# KiCad board q2v2.kicad_pcb (continued)
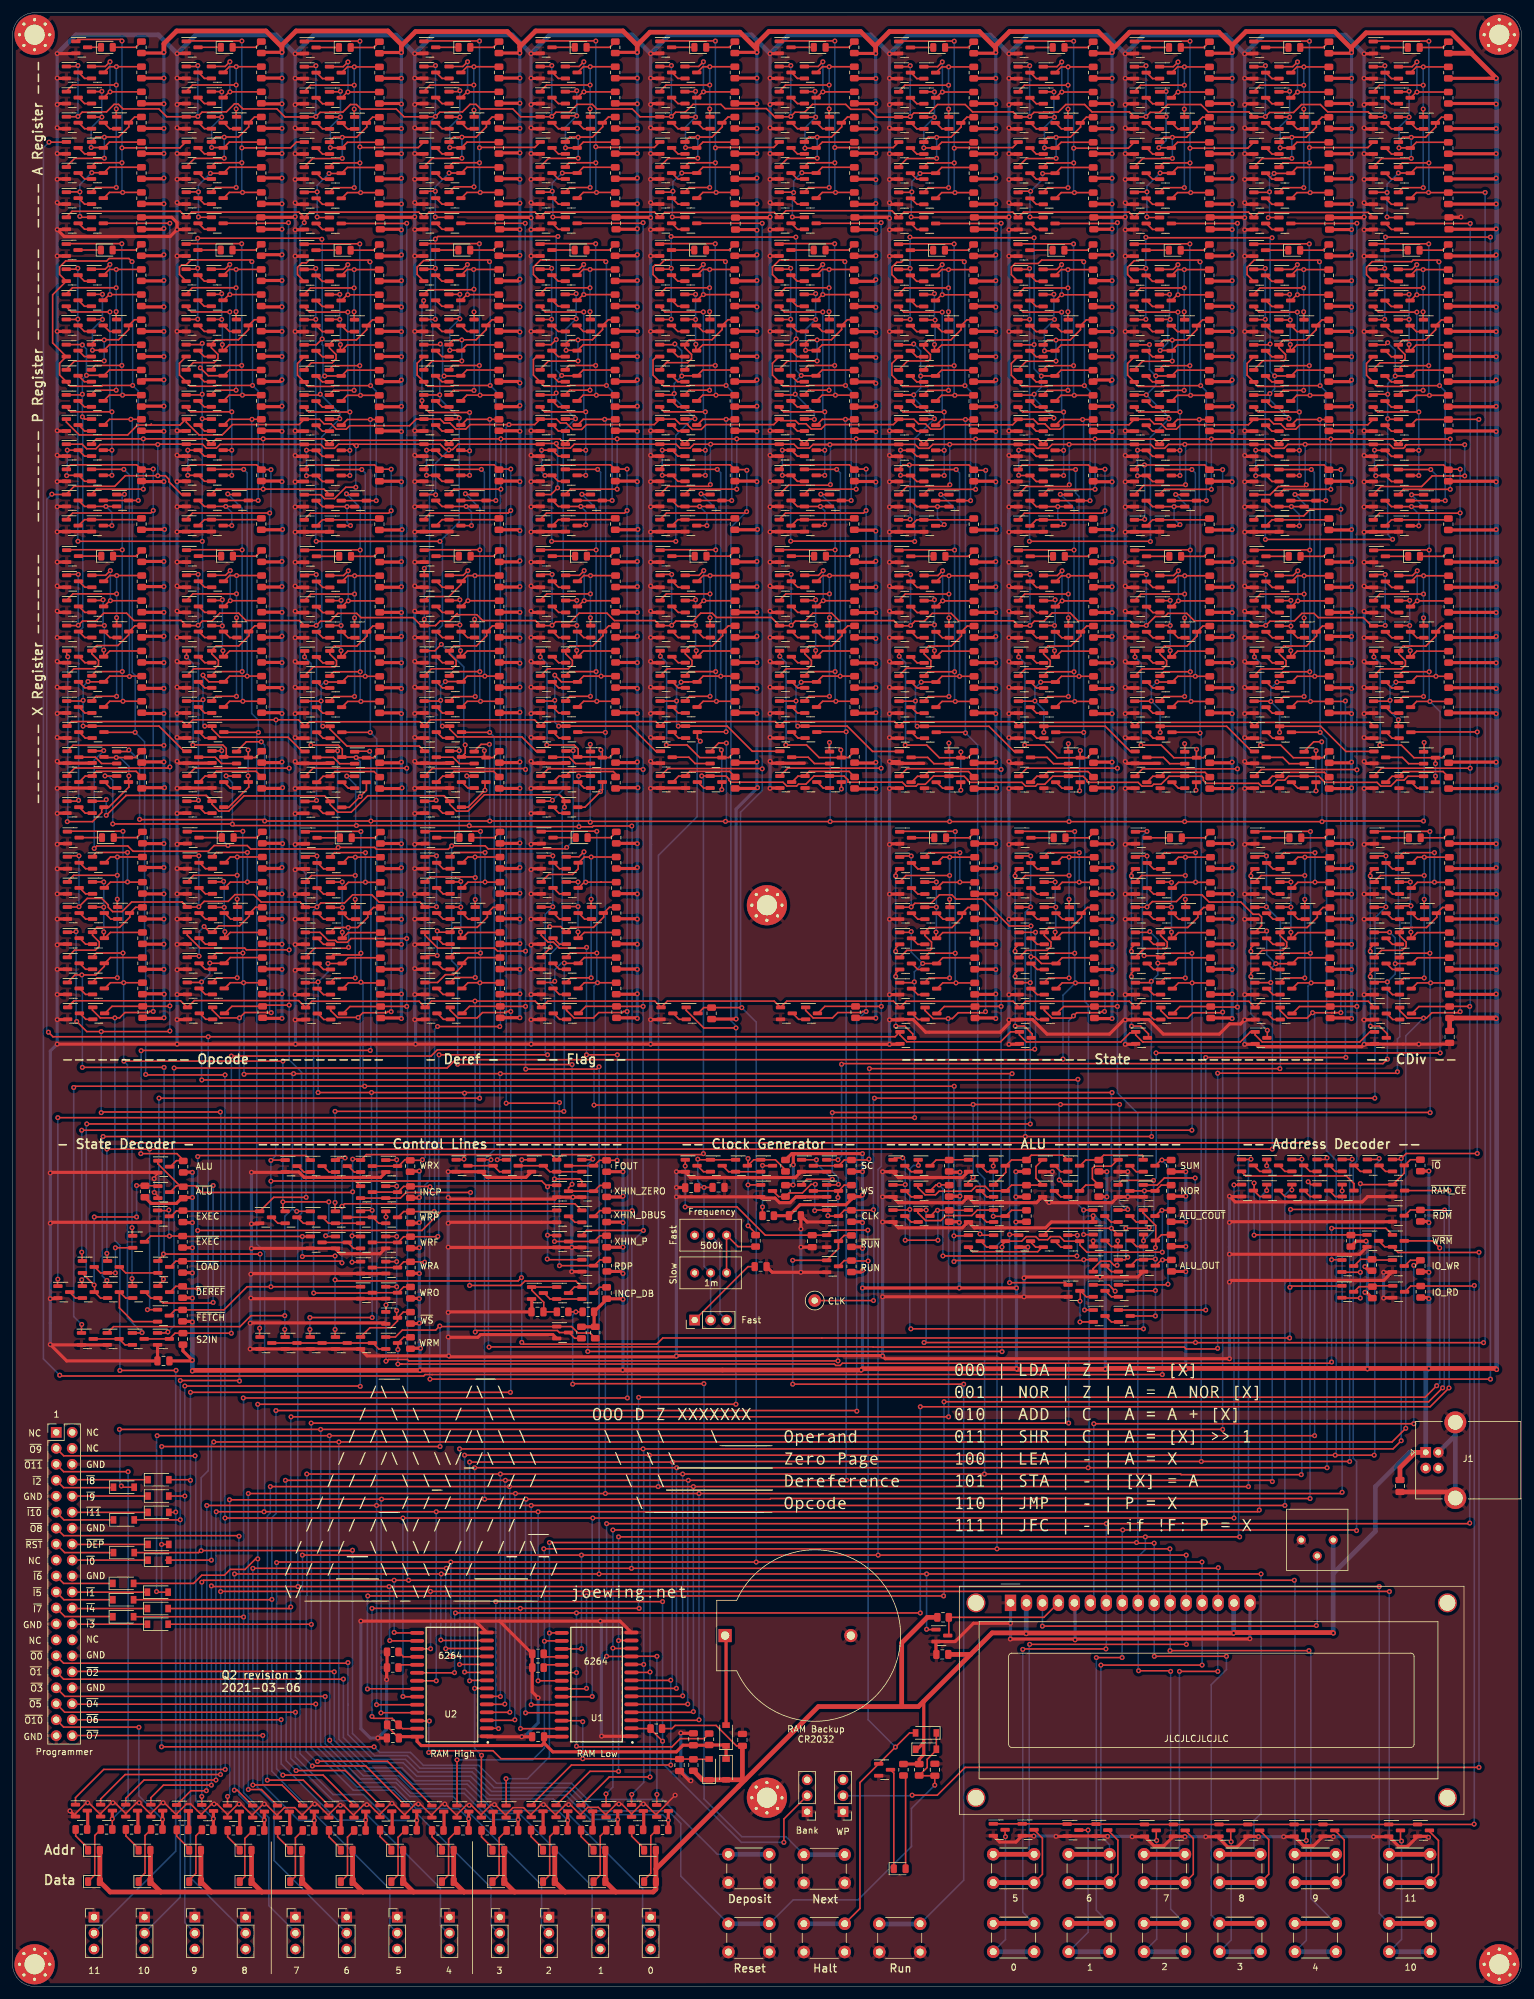
[diagram p0: board, top side]
## Nets (continued)
Net-(Q529-Pad2): Q529.2 Q531.3
Net-(Q529-Pad3): Q529.3 Q534.1 R224.2
Net-(Q533-Pad2): Q533.2 Q535.3
Net-(Q534-Pad2): Q534.2 Q536.3
Net-(Q535-Pad1): Q535.1 Q537.3 Q540.1 R228.2
Net-(Q537-Pad2): Q537.2 Q538.3
Net-(Q538-Pad2): Q538.2 Q539.3
Net-(Q540-Pad2): Q540.2 Q541.3
Net-(Q542-Pad2): Q542.2 Q543.3
Net-(Q544-Pad1): Q544.1 Q547.1 Q550.3 Q553.1 R234.2
Net-(Q544-Pad2): Q544.2 Q546.3
Net-(Q545-Pad1): Q545.1 Q554.1 Q556.3 R236.2
Net-(Q545-Pad2): Q545.2 Q547.3
Net-(Q545-Pad3): Q545.3 Q550.1 R231.2
Net-(Q549-Pad2): Q549.2 Q551.3
Net-(Q550-Pad2): Q550.2 Q552.3
Net-(Q551-Pad1): Q551.1 Q553.3 Q556.1 R235.2
Net-(Q553-Pad2): Q553.2 Q554.3
Net-(Q554-Pad2): Q554.2 Q555.3
Net-(Q556-Pad2): Q556.2 Q557.3
Net-(Q558-Pad2): Q558.2 Q563.3
Net-(Q559-Pad2): Q559.2 Q564.3
Net-(Q560-Pad2): Q560.2 Q565.3
Net-(Q561-Pad2): Q561.2 Q566.3
Net-(Q563-Pad1): Q563.1 Q567.3 R238.2
Net-(Q568-Pad1): Q568.1 Q571.1 Q574.3 Q577.1 R243.2
Net-(Q568-Pad2): Q568.2 Q570.3
Net-(Q569-Pad1): Q569.1 Q578.1 Q580.3 R245.2
Net-(Q569-Pad2): Q569.2 Q571.3
Net-(Q569-Pad3): Q569.3 Q574.1 R240.2
Net-(Q573-Pad2): Q573.2 Q575.3
Net-(Q574-Pad2): Q574.2 Q576.3
Net-(Q575-Pad1): Q575.1 Q577.3 Q580.1 R244.2
Net-(Q577-Pad2): Q577.2 Q578.3
Net-(Q578-Pad2): Q578.2 Q579.3
Net-(Q580-Pad2): Q580.2 Q581.3
Net-(Q582-Pad1): Q582.1 Q585.1 Q588.3 Q591.1 R250.2
Net-(Q582-Pad2): Q582.2 Q584.3
Net-(Q583-Pad1): Q583.1 Q592.1 Q594.3 R252.2
Net-(Q583-Pad2): Q583.2 Q585.3
Net-(Q583-Pad3): Q583.3 Q588.1 R247.2
Net-(Q587-Pad2): Q587.2 Q589.3
Net-(Q588-Pad2): Q588.2 Q590.3
Net-(Q589-Pad1): Q589.1 Q591.3 Q594.1 R251.2
Net-(Q591-Pad2): Q591.2 Q592.3
Net-(Q592-Pad2): Q592.2 Q593.3
Net-(Q594-Pad2): Q594.2 Q595.3
Net-(Q596-Pad2): Q596.2 Q597.3
Net-(Q599-Pad2): Q599.2 Q600.3
Net-(Q601-Pad2): Q601.2 Q602.2 Q605.3 Q606.3
Net-(Q603-Pad2): Q603.2 Q604.2 Q607.3 Q608.3
Net-(Q608-Pad1): Q608.1 Q609.3 R256.2
Net-(Q610-Pad1): Q610.1 Q613.1 Q616.3 Q619.1 R261.2
Net-(Q610-Pad2): Q610.2 Q612.3
Net-(Q611-Pad1): Q611.1 Q620.1 Q622.3 R263.2
Net-(Q611-Pad2): Q611.2 Q613.3
Net-(Q611-Pad3): Q611.3 Q616.1 R258.2
Net-(Q615-Pad2): Q615.2 Q617.3
Net-(Q616-Pad2): Q616.2 Q618.3
Net-(Q617-Pad1): Q617.1 Q619.3 Q622.1 R262.2
Net-(Q619-Pad2): Q619.2 Q620.3
Net-(Q620-Pad2): Q620.2 Q621.3
Net-(Q622-Pad2): Q622.2 Q623.3
Net-(Q624-Pad2): Q624.2 Q625.3
Net-(Q626-Pad1): Q626.1 Q629.1 Q632.3 Q635.1 R268.2
Net-(Q626-Pad2): Q626.2 Q628.3
Net-(Q627-Pad1): Q627.1 Q636.1 Q638.3 R270.2
Net-(Q627-Pad2): Q627.2 Q629.3
Net-(Q627-Pad3): Q627.3 Q632.1 R265.2
Net-(Q631-Pad2): Q631.2 Q633.3
Net-(Q632-Pad2): Q632.2 Q634.3
Net-(Q633-Pad1): Q633.1 Q635.3 Q638.1 R269.2
Net-(Q635-Pad2): Q635.2 Q636.3
Net-(Q636-Pad2): Q636.2 Q637.3
Net-(Q638-Pad2): Q638.2 Q639.3
Net-(Q640-Pad2): Q640.2 Q644.3
Net-(Q641-Pad2): Q641.2 Q645.3
Net-(Q642-Pad2): Q642.2 Q646.3
Net-(Q643-Pad3): Q643.3 Q644.1 R272.2
Net-(Q647-Pad1): Q647.1 Q650.1 Q653.3 Q656.1 R277.2
Net-(Q647-Pad2): Q647.2 Q649.3
Net-(Q648-Pad1): Q648.1 Q657.1 Q659.3 R279.2
Net-(Q648-Pad2): Q648.2 Q650.3
Net-(Q648-Pad3): Q648.3 Q653.1 R274.2
Net-(Q652-Pad2): Q652.2 Q654.3
Net-(Q653-Pad2): Q653.2 Q655.3
Net-(Q654-Pad1): Q654.1 Q656.3 Q659.1 R278.2
Net-(Q656-Pad2): Q656.2 Q657.3
Net-(Q657-Pad2): Q657.2 Q658.3
Net-(Q659-Pad2): Q659.2 Q660.3
Net-(Q661-Pad1): Q661.1 Q664.1 Q667.3 Q670.1 R284.2
Net-(Q661-Pad2): Q661.2 Q663.3
Net-(Q662-Pad1): Q662.1 Q671.1 Q673.3 R286.2
Net-(Q662-Pad2): Q662.2 Q664.3
Net-(Q662-Pad3): Q662.3 Q667.1 R281.2
Net-(Q666-Pad2): Q666.2 Q668.3
Net-(Q667-Pad2): Q667.2 Q669.3
Net-(Q668-Pad1): Q668.1 Q670.3 Q673.1 R285.2
Net-(Q670-Pad2): Q670.2 Q671.3
Net-(Q671-Pad2): Q671.2 Q672.3
Net-(Q673-Pad2): Q673.2 Q674.3
Net-(Q675-Pad1): Q675.1 Q678.3 R288.2
Net-(Q676-Pad1): Q676.1 Q677.3 R291.2
Net-(Q679-Pad2): Q679.2 Q680.3
Net-(Q680-Pad2): Q680.2 Q681.3
Net-(Q681-Pad2): Q681.2 Q682.3
Net-(Q682-Pad2): Q682.2 Q685.3
Net-(Q683-Pad2): Q683.2 Q687.3 SW2.2
Net-(Q685-Pad2): Q685.2 Q686.3
Net-(Q686-Pad2): Q686.2 Q688.3
Net-(Q688-Pad2): Q688.2 Q689.3
Net-(Q689-Pad2): Q689.2 Q690.3
Net-(Q690-Pad2): Q690.2 Q691.3
Net-(Q691-Pad2): Q691.2 Q692.3
Net-(Q695-Pad2): Q695.2 Q696.3
Net-(Q697-Pad2): Q697.2 Q698.3
Net-(Q699-Pad2): Q699.2 Q700.2 Q703.3 Q704.3
Net-(Q701-Pad2): Q701.2 Q702.2 Q705.3 Q706.3
Net-(Q706-Pad1): Q706.1 Q707.3 R305.2
Net-(Q708-Pad1): Q708.1 Q711.1 Q714.3 Q717.1 R310.2
Net-(Q708-Pad2): Q708.2 Q710.3
Net-(Q709-Pad1): Q709.1 Q718.1 Q720.3 R312.2
Net-(Q709-Pad2): Q709.2 Q711.3
Net-(Q709-Pad3): Q709.3 Q714.1 R307.2
Net-(Q713-Pad2): Q713.2 Q715.3
Net-(Q714-Pad2): Q714.2 Q716.3
Net-(Q715-Pad1): Q715.1 Q717.3 Q720.1 R311.2
Net-(Q717-Pad2): Q717.2 Q718.3
Net-(Q718-Pad2): Q718.2 Q719.3
Net-(Q720-Pad2): Q720.2 Q721.3
Net-(Q722-Pad2): Q722.2 Q723.3
Net-(Q724-Pad1): Q724.1 Q727.1 Q730.3 Q733.1 R317.2
Net-(Q724-Pad2): Q724.2 Q726.3
Net-(Q725-Pad1): Q725.1 Q734.1 Q736.3 R319.2
Net-(Q725-Pad2): Q725.2 Q727.3
Net-(Q725-Pad3): Q725.3 Q730.1 R314.2
Net-(Q729-Pad2): Q729.2 Q731.3
Net-(Q730-Pad2): Q730.2 Q732.3
Net-(Q731-Pad1): Q731.1 Q733.3 Q736.1 R318.2
Net-(Q733-Pad2): Q733.2 Q734.3
Net-(Q734-Pad2): Q734.2 Q735.3
Net-(Q736-Pad2): Q736.2 Q737.3
Net-(Q738-Pad2): Q738.2 Q743.3
Net-(Q739-Pad2): Q739.2 Q744.3
Net-(Q740-Pad2): Q740.2 Q745.3
Net-(Q741-Pad2): Q741.2 Q746.3
Net-(Q743-Pad1): Q743.1 Q747.3 R321.2
Net-(Q748-Pad1): Q748.1 Q751.1 Q754.3 Q757.1 R326.2
Net-(Q748-Pad2): Q748.2 Q750.3
Net-(Q749-Pad1): Q749.1 Q758.1 Q760.3 R328.2
Net-(Q749-Pad2): Q749.2 Q751.3
Net-(Q749-Pad3): Q749.3 Q754.1 R323.2
Net-(Q753-Pad2): Q753.2 Q755.3
Net-(Q754-Pad2): Q754.2 Q756.3
Net-(Q755-Pad1): Q755.1 Q757.3 Q760.1 R327.2
Net-(Q757-Pad2): Q757.2 Q758.3
Net-(Q758-Pad2): Q758.2 Q759.3
Net-(Q760-Pad2): Q760.2 Q761.3
Net-(Q762-Pad1): Q762.1 Q765.1 Q768.3 Q771.1 R333.2
Net-(Q762-Pad2): Q762.2 Q764.3
Net-(Q763-Pad1): Q763.1 Q772.1 Q774.3 R335.2
Net-(Q763-Pad2): Q763.2 Q765.3
Net-(Q763-Pad3): Q763.3 Q768.1 R330.2
Net-(Q767-Pad2): Q767.2 Q769.3
Net-(Q768-Pad2): Q768.2 Q770.3
Net-(Q769-Pad1): Q769.1 Q771.3 Q774.1 R334.2
Net-(Q771-Pad2): Q771.2 Q772.3
Net-(Q772-Pad2): Q772.2 Q773.3
Net-(Q774-Pad2): Q774.2 Q775.3
Net-(Q776-Pad2): Q776.2 Q777.3
Net-(Q779-Pad2): Q779.2 Q780.3
Net-(Q781-Pad2): Q781.2 Q782.2 Q785.3 Q786.3
Net-(Q783-Pad2): Q783.2 Q784.2 Q787.3 Q788.3
Net-(Q788-Pad1): Q788.1 Q789.3 R339.2
Net-(Q790-Pad1): Q790.1 Q793.1 Q796.3 Q799.1 R344.2
Net-(Q790-Pad2): Q790.2 Q792.3
Net-(Q791-Pad1): Q791.1 Q800.1 Q802.3 R346.2
Net-(Q791-Pad2): Q791.2 Q793.3
Net-(Q791-Pad3): Q791.3 Q796.1 R341.2
Net-(Q795-Pad2): Q795.2 Q797.3
Net-(Q796-Pad2): Q796.2 Q798.3
Net-(Q797-Pad1): Q797.1 Q799.3 Q802.1 R345.2
Net-(Q799-Pad2): Q799.2 Q800.3
Net-(Q800-Pad2): Q800.2 Q801.3
Net-(Q802-Pad2): Q802.2 Q803.3
Net-(Q804-Pad2): Q804.2 Q805.3
Net-(Q806-Pad1): Q806.1 Q809.1 Q812.3 Q815.1 R351.2
Net-(Q806-Pad2): Q806.2 Q808.3
Net-(Q807-Pad1): Q807.1 Q816.1 Q818.3 R353.2
Net-(Q807-Pad2): Q807.2 Q809.3
Net-(Q807-Pad3): Q807.3 Q812.1 R348.2
Net-(Q811-Pad2): Q811.2 Q813.3
Net-(Q812-Pad2): Q812.2 Q814.3
Net-(Q813-Pad1): Q813.1 Q815.3 Q818.1 R352.2
Net-(Q815-Pad2): Q815.2 Q816.3
Net-(Q816-Pad2): Q816.2 Q817.3
Net-(Q818-Pad2): Q818.2 Q819.3
Net-(Q820-Pad2): Q820.2 Q824.3
Net-(Q821-Pad2): Q821.2 Q825.3
Net-(Q822-Pad2): Q822.2 Q826.3
Net-(Q823-Pad3): Q823.3 Q824.1 R355.2
Net-(Q827-Pad1): Q827.1 Q830.1 Q833.3 Q836.1 R360.2
Net-(Q827-Pad2): Q827.2 Q829.3
Net-(Q828-Pad1): Q828.1 Q837.1 Q839.3 R362.2
Net-(Q828-Pad2): Q828.2 Q830.3
Net-(Q828-Pad3): Q828.3 Q833.1 R357.2
Net-(Q832-Pad2): Q832.2 Q834.3
Net-(Q833-Pad2): Q833.2 Q835.3
Net-(Q834-Pad1): Q834.1 Q836.3 Q839.1 R361.2
Net-(Q836-Pad2): Q836.2 Q837.3
Net-(Q837-Pad2): Q837.2 Q838.3
Net-(Q839-Pad2): Q839.2 Q840.3
Net-(Q841-Pad1): Q841.1 Q844.1 Q847.3 Q850.1 R367.2
Net-(Q841-Pad2): Q841.2 Q843.3
Net-(Q842-Pad1): Q842.1 Q851.1 Q853.3 R369.2
Net-(Q842-Pad2): Q842.2 Q844.3
Net-(Q842-Pad3): Q842.3 Q847.1 R364.2
Net-(Q846-Pad2): Q846.2 Q848.3
Net-(Q847-Pad2): Q847.2 Q849.3
Net-(Q848-Pad1): Q848.1 Q850.3 Q853.1 R368.2
Net-(Q850-Pad2): Q850.2 Q851.3
Net-(Q851-Pad2): Q851.2 Q852.3
Net-(Q853-Pad2): Q853.2 Q854.3
Net-(Q857-Pad3): Q857.3 SW9.2
Net-(Q858-Pad3): Q858.3 SW10.2
Net-(Q859-Pad3): Q859.3 SW11.2
Net-(Q860-Pad3): Q860.3 SW12.2
Net-(Q861-Pad3): Q861.3 SW13.2
Net-(Q862-Pad3): Q862.3 SW14.2
Net-(Q863-Pad3): Q863.3 SW15.2
Net-(Q864-Pad3): Q864.3 SW16.2
Net-(Q865-Pad3): Q865.3 SW17.2
Net-(Q866-Pad3): Q866.3 SW18.2
Net-(Q867-Pad3): Q867.3 SW19.2
Net-(Q868-Pad3): Q868.3 SW20.2
Net-(Q869-Pad3): Q869.3 R375.2
Net-(Q871-Pad3): Q871.3 R377.2
Net-(Q873-Pad3): Q873.3 R379.2
Net-(Q875-Pad3): Q875.3 R381.2
Net-(Q877-Pad3): Q877.3 R383.2
Net-(Q879-Pad3): Q879.3 R385.2
Net-(Q881-Pad3): Q881.3 R387.2
Net-(Q883-Pad3): Q883.3 R389.2
Net-(Q885-Pad3): Q885.3 R391.2
Net-(Q887-Pad3): Q887.3 R393.2
Net-(Q889-Pad3): Q889.3 R395.2
Net-(Q891-Pad3): Q891.3 R397.2
Net-(Q893-Pad2): Q893.2 Q894.3
Net-(Q896-Pad2): Q896.2 Q897.3
Net-(Q898-Pad2): Q898.2 Q899.2 Q902.3 Q903.3
Net-(Q900-Pad2): Q900.2 Q901.2 Q904.3 Q905.3
Net-(Q905-Pad1): Q905.1 Q906.3 R402.2
Net-(Q907-Pad1): Q907.1 Q910.1 Q913.3 Q916.1 R407.2
Net-(Q907-Pad2): Q907.2 Q909.3
Net-(Q908-Pad1): Q908.1 Q917.1 Q919.3 R409.2
Net-(Q908-Pad2): Q908.2 Q910.3
Net-(Q908-Pad3): Q908.3 Q913.1 R404.2
Net-(Q912-Pad2): Q912.2 Q914.3
Net-(Q913-Pad2): Q913.2 Q915.3
Net-(Q914-Pad1): Q914.1 Q916.3 Q919.1 R408.2
Net-(Q916-Pad2): Q916.2 Q917.3
Net-(Q917-Pad2): Q917.2 Q918.3
Net-(Q919-Pad2): Q919.2 Q920.3
Net-(Q921-Pad2): Q921.2 Q922.3
Net-(Q923-Pad1): Q923.1 Q926.1 Q929.3 Q932.1 R414.2
Net-(Q923-Pad2): Q923.2 Q925.3
Net-(Q924-Pad1): Q924.1 Q933.1 Q935.3 R416.2
Net-(Q924-Pad2): Q924.2 Q926.3
Net-(Q924-Pad3): Q924.3 Q929.1 R411.2
Net-(Q928-Pad2): Q928.2 Q930.3
Net-(Q929-Pad2): Q929.2 Q931.3
Net-(Q930-Pad1): Q930.1 Q932.3 Q935.1 R415.2
Net-(Q932-Pad2): Q932.2 Q933.3
Net-(Q933-Pad2): Q933.2 Q934.3
Net-(Q935-Pad2): Q935.2 Q936.3
Net-(Q937-Pad2): Q937.2 Q941.3
Net-(Q938-Pad2): Q938.2 Q942.3
Net-(Q939-Pad2): Q939.2 Q943.3
Net-(Q940-Pad3): Q940.3 Q941.1 R418.2
Net-(Q944-Pad1): Q944.1 Q947.1 Q950.3 Q953.1 R423.2
Net-(Q944-Pad2): Q944.2 Q946.3
Net-(Q945-Pad1): Q945.1 Q954.1 Q956.3 R425.2
Net-(Q945-Pad2): Q945.2 Q947.3
Net-(Q945-Pad3): Q945.3 Q950.1 R420.2
Net-(Q949-Pad2): Q949.2 Q951.3
Net-(Q950-Pad2): Q950.2 Q952.3
Net-(Q951-Pad1): Q951.1 Q953.3 Q956.1 R424.2
Net-(Q953-Pad2): Q953.2 Q954.3
Net-(Q954-Pad2): Q954.2 Q955.3
Net-(Q956-Pad2): Q956.2 Q957.3
Net-(Q958-Pad2): Q958.2 Q959.3
Net-(Q960-Pad1): Q960.1 Q963.1 Q966.3 Q969.1 R432.2
Net-(Q960-Pad2): Q960.2 Q962.3
Net-(Q961-Pad1): Q961.1 Q970.1 Q972.3 R434.2
Net-(Q961-Pad2): Q961.2 Q963.3
Net-(Q961-Pad3): Q961.3 Q966.1 R429.2
Net-(Q965-Pad2): Q965.2 Q967.3
Net-(Q966-Pad2): Q966.2 Q968.3
Net-(Q967-Pad1): Q967.1 Q969.3 Q972.1 R433.2
Net-(Q969-Pad2): Q969.2 Q970.3
Net-(Q970-Pad2): Q970.2 Q971.3
Net-(Q972-Pad2): Q972.2 Q973.3
Net-(Q974-Pad2): Q974.2 Q975.3
Net-(Q976-Pad1): Q976.1 Q979.1 Q982.3 Q985.1 R441.2
Net-(Q976-Pad2): Q976.2 Q978.3
Net-(Q977-Pad1): Q977.1 Q986.1 Q988.3 R443.2
Net-(Q977-Pad2): Q977.2 Q979.3
Net-(Q977-Pad3): Q977.3 Q982.1 R438.2
Net-(Q981-Pad2): Q981.2 Q983.3
Net-(Q982-Pad2): Q982.2 Q984.3
Net-(Q983-Pad1): Q983.1 Q985.3 Q988.1 R442.2
Net-(Q985-Pad2): Q985.2 Q986.3
Net-(Q986-Pad2): Q986.2 Q987.3
Net-(Q988-Pad2): Q988.2 Q989.3
Net-(Q990-Pad2): Q990.2 Q994.3
Net-(Q991-Pad2): Q991.2 Q995.3
Net-(Q992-Pad2): Q992.2 Q996.3
Net-(Q993-Pad3): Q993.3 Q994.1 R445.2
Net-(Q997-Pad2): Q997.2 Q999.3
Net-(Q1000-Pad1): Q997.1 Q1000.1 Q1003.3 Q1006.1 R450.2
Net-(Q1000-Pad3): Q998.2 Q1000.3
Net-(Q1002-Pad2): Q1002.2 Q1004.3
Net-(Q1003-Pad1): Q998.3 Q1003.1 R447.2
Net-(Q1003-Pad2): Q1003.2 Q1005.3
Net-(Q1004-Pad1): Q1004.1 Q1006.3 Q1009.1 R451.2
Net-(Q1006-Pad2): Q1006.2 Q1007.3
Net-(Q1007-Pad1): Q998.1 Q1007.1 Q1009.3 R452.2
Net-(Q1007-Pad2): Q1007.2 Q1008.3
Net-(Q1009-Pad2): Q1009.2 Q1010.3
Net-(Q1011-Pad2): Q1011.2 Q1012.3
Net-(Q1013-Pad2): Q1013.2 Q1014.3
Net-(Q1015-Pad2): Q1015.2 Q1016.2 Q1019.3 Q1020.3
Net-(Q1017-Pad2): Q1017.2 Q1018.2 Q1021.3 Q1022.3
Net-(Q1022-Pad1): Q1022.1 Q1023.3 R454.2
Net-(Q1024-Pad1): Q1024.1 Q1027.1 Q1030.3 Q1033.1 R459.2
Net-(Q1024-Pad2): Q1024.2 Q1026.3
Net-(Q1025-Pad1): Q1025.1 Q1034.1 Q1036.3 R461.2
Net-(Q1025-Pad2): Q1025.2 Q1027.3
Net-(Q1025-Pad3): Q1025.3 Q1030.1 R456.2
Net-(Q1029-Pad2): Q1029.2 Q1031.3
Net-(Q1030-Pad2): Q1030.2 Q1032.3
Net-(Q1031-Pad1): Q1031.1 Q1033.3 Q1036.1 R460.2
Net-(Q1033-Pad2): Q1033.2 Q1034.3
Net-(Q1034-Pad2): Q1034.2 Q1035.3
Net-(Q1036-Pad2): Q1036.2 Q1037.3
Net-(Q1038-Pad2): Q1038.2 Q1039.3
Net-(Q1040-Pad1): Q1040.1 Q1043.1 Q1046.3 Q1049.1 R466.2
Net-(Q1040-Pad2): Q1040.2 Q1042.3
Net-(Q1041-Pad1): Q1041.1 Q1050.1 Q1052.3 R468.2
Net-(Q1041-Pad2): Q1041.2 Q1043.3
Net-(Q1041-Pad3): Q1041.3 Q1046.1 R463.2
Net-(Q1045-Pad2): Q1045.2 Q1047.3
Net-(Q1046-Pad2): Q1046.2 Q1048.3
Net-(Q1047-Pad1): Q1047.1 Q1049.3 Q1052.1 R467.2
Net-(Q1049-Pad2): Q1049.2 Q1050.3
Net-(Q1050-Pad2): Q1050.2 Q1051.3
Net-(Q1052-Pad2): Q1052.2 Q1053.3
Net-(Q1054-Pad2): Q1054.2 Q1058.3
Net-(Q1055-Pad2): Q1055.2 Q1059.3
Net-(Q1056-Pad2): Q1056.2 Q1060.3
Net-(Q1057-Pad3): Q1057.3 Q1058.1 R470.2
Net-(Q1061-Pad1): Q1061.1 Q1064.1 Q1067.3 Q1070.1 R475.2
Net-(Q1061-Pad2): Q1061.2 Q1063.3
Net-(Q1062-Pad1): Q1062.1 Q1071.1 Q1073.3 R477.2
Net-(Q1062-Pad2): Q1062.2 Q1064.3
Net-(Q1062-Pad3): Q1062.3 Q1067.1 R472.2
Net-(Q1066-Pad2): Q1066.2 Q1068.3
Net-(Q1067-Pad2): Q1067.2 Q1069.3
Net-(Q1068-Pad1): Q1068.1 Q1070.3 Q1073.1 R476.2
Net-(Q1070-Pad2): Q1070.2 Q1071.3
Net-(Q1071-Pad2): Q1071.2 Q1072.3
Net-(Q1073-Pad2): Q1073.2 Q1074.3
Net-(Q1075-Pad1): Q1075.1 Q1078.1 Q1081.3 Q1084.1 R482.2
Net-(Q1075-Pad2): Q1075.2 Q1077.3
Net-(Q1076-Pad1): Q1076.1 Q1085.1 Q1087.3 R484.2
Net-(Q1076-Pad2): Q1076.2 Q1078.3
Net-(Q1076-Pad3): Q1076.3 Q1081.1 R479.2
Net-(Q1080-Pad2): Q1080.2 Q1082.3
Net-(Q1081-Pad2): Q1081.2 Q1083.3
Net-(Q1082-Pad1): Q1082.1 Q1084.3 Q1087.1 R483.2
Net-(Q1084-Pad2): Q1084.2 Q1085.3
Net-(Q1085-Pad2): Q1085.2 Q1086.3
Net-(Q1087-Pad2): Q1087.2 Q1088.3
Net-(Q1089-Pad2): Q1089.2 Q1090.3
Net-(Q1091-Pad2): Q1091.2 Q1092.2 Q1095.3 Q1096.3
Net-(Q1093-Pad2): Q1093.2 Q1094.2 Q1097.3 Q1098.3
Net-(Q1098-Pad1): Q1098.1 Q1099.3 R486.2
Net-(R129-Pad1): R129.1 RV1.3 RV2.3
Net-(R294-Pad1): R294.1 U1.18
Net-(R295-Pad1): R295.1 U2.18
Net-(R296-Pad1): R296.1 U1.19
Net-(R297-Pad1): R297.1 U2.19
Net-(RV2-Pad2): RV2.2 SW1.3

Pads without a net: J1 2 3; J2 1 2 4 17 27 28; RV1 1; RV2 1; SW2 3; SW3 3; SW21 3; SW22 3; SW23 3; SW24 3; SW25 3; SW26 3; SW27 3; SW28 3; SW29 3; SW30 3; SW31 3; SW32 3

## Via types
v1: diameter 0.8, hole 0.4, Top to Bottom, 2871 vias
